# Altium PCB 智能马桶综合检测台_数据板V1.0.PcbDoc (part 7 of 8) (continued)
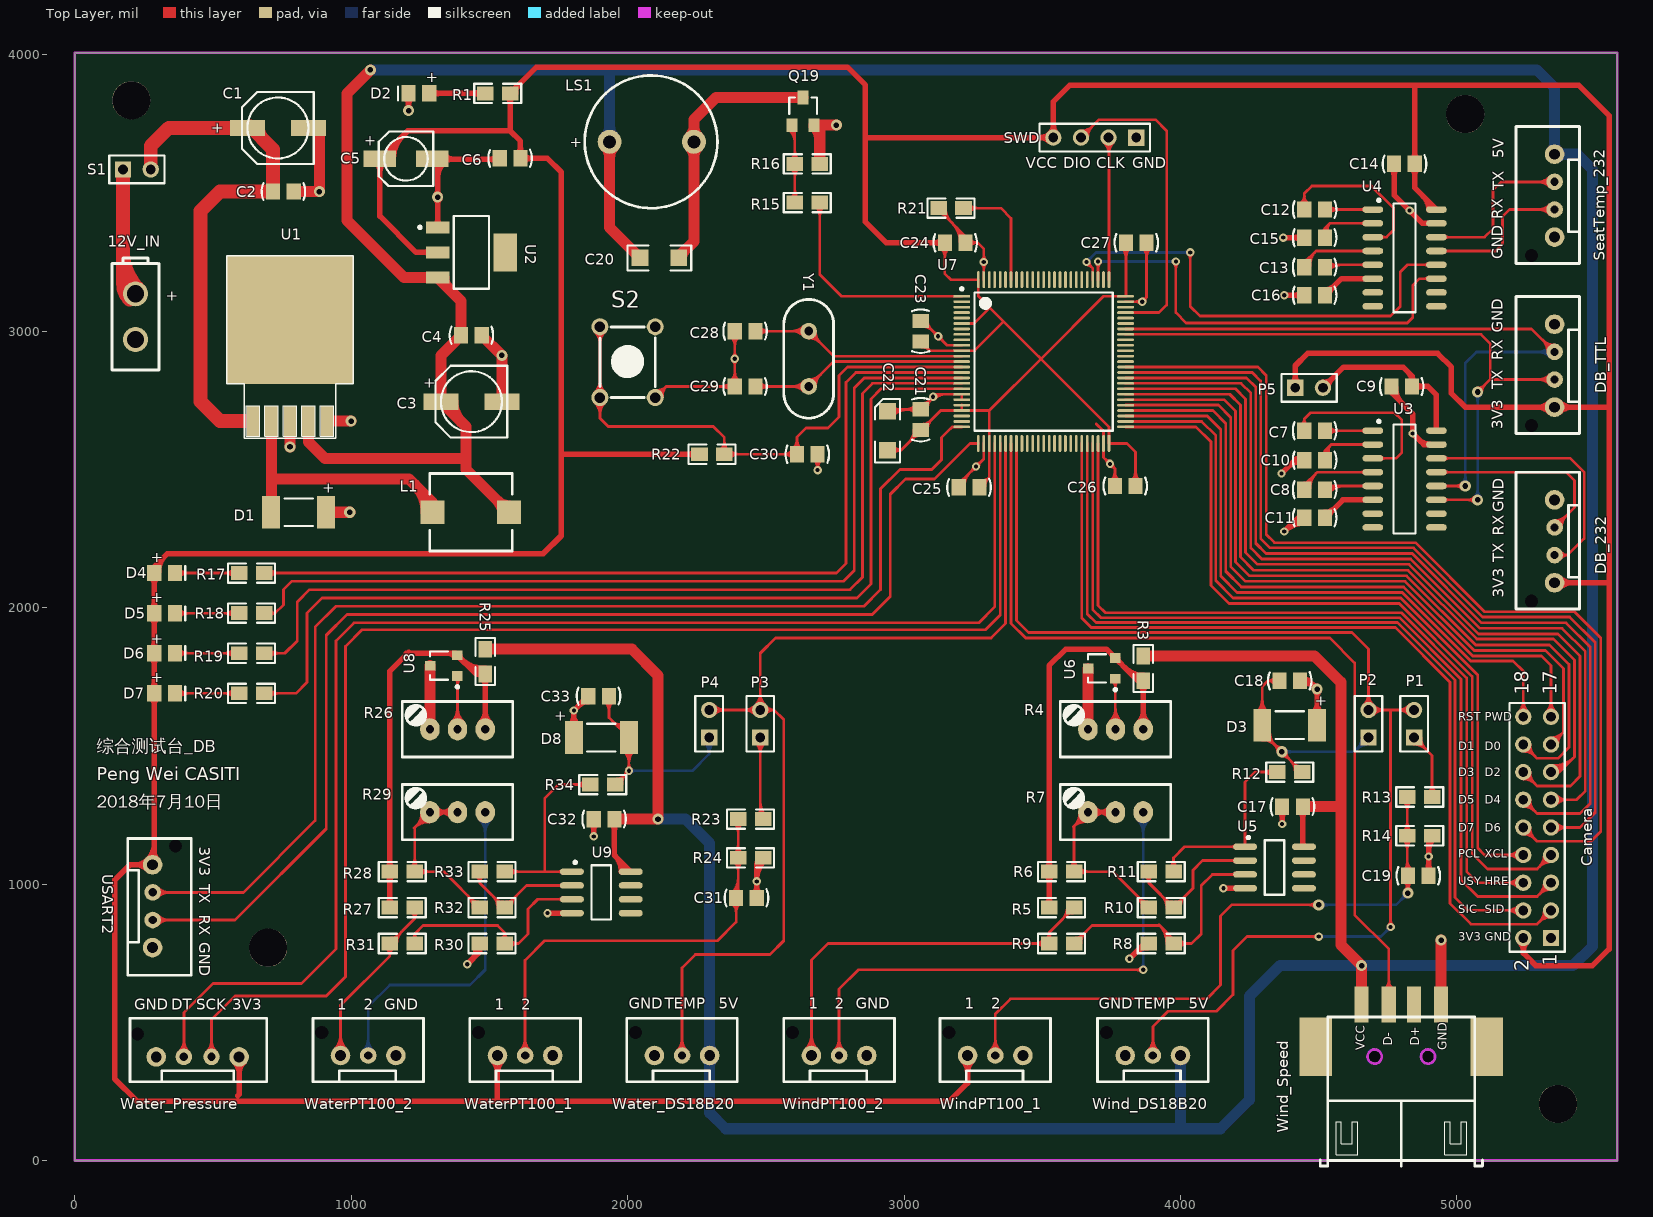
[diagram p0: Top Layer view]
## Nets (pads, with @x,y where several pads share a name; then routed paths per layer and width w, separated by ;. In a path a pad name is that pad's centre, name@x,y a point inside that pad or via, vN(x,y) a via of type N, cw(c..) or ccw(c..) an arc to the next point about the centre after c; other vN are vias at no path point) (continued)
cw(c5287.14,757.86) Camera.2@5253.81,791.19 ; 5240,757.86 cw(c5287.14,757.86) Camera.2@5253.81,791.19 ; 5240,757.86 cw(c5287.14,757.86) Camera.2@5253.81,791.19 ; 5240,757.86 cw(c5287.14,757.86) Camera.2@5253.81,791.19 ; 5240,757.86 cw(c5287.14,757.86) Camera.2@5253.81,791.19 ; 5291.6,2725 cw(c5291.6,2663.6) DB_TTL.1@5335.02,2707.02 ; 5291.6,2725 ccw(c5291.6,2786.4) DB_TTL.1@5335.02,2742.98 ; 5291.6,2725 ccw(c5291.6,2786.4) DB_TTL.1@5335.02,2742.98 ; 5291.6,2725 cw(c5291.6,2663.6) DB_TTL.1@5335.02,2707.02 ; 5291.6,2725 ccw(c5291.6,2786.4) DB_TTL.1@5335.02,2742.98 ; 5291.6,2725 cw(c5291.6,2663.6) DB_TTL.1@5335.02,2707.02 ; 5291.6,2725 ccw(c5291.6,2786.4) DB_TTL.1@5335.02,2742.98 ; 5291.6,2725 cw(c5291.6,2663.6) DB_TTL.1@5335.02,2707.02 ; 5291.6,2725 ccw(c5291.6,2786.4) DB_TTL.1@5335.02,2742.98 ; 5291.6,2725 cw(c5291.6,2663.6) DB_TTL.1@5335.02,2707.02 ; 5291.6,2725 ccw(c5291.6,2786.4) DB_TTL.1@5335.02,2742.98 ; 5291.6,2725 cw(c5291.6,2663.6) DB_TTL.1@5335.02,2707.02 ; DB_232.1@5370.98,2072.02 cw(c5414.4,2028.6) 5414.4,2090 ; DB_232.1@5370.98,2072.02 cw(c5414.4,2028.6) 5414.4,2090 ; DB_232.1@5370.98,2072.02 cw(c5414.4,2028.6) 5414.4,2090 ; DB_232.1@5370.98,2072.02 cw(c5414.4,2028.6) 5414.4,2090 ; DB_232.1@5370.98,2072.02 cw(c5414.4,2028.6) 5414.4,2090 ; DB_232.1@5370.98,2072.02 cw(c5414.4,2028.6) 5414.4,2090 ; DB_232.1@5370.98,2107.98 ccw(c5414.4,2151.4) 5414.4,2090 ; DB_232.1@5370.98,2107.98 ccw(c5414.4,2151.4) 5414.4,2090 ; DB_232.1@5370.98,2107.98 ccw(c5414.4,2151.4) 5414.4,2090 ; DB_232.1@5370.98,2107.98 ccw(c5414.4,2151.4) 5414.4,2090 ; DB_232.1@5370.98,2107.98 ccw(c5414.4,2151.4) 5414.4,2090 ; DB_232.1@5370.98,2107.98 ccw(c5414.4,2151.4) 5414.4,2090 ; DB_TTL.1@5370.98,2707.02 cw(c5414.4,2663.6) 5414.4,2725 ; DB_TTL.1@5370.98,2707.02 cw(c5414.4,2663.6) 5414.4,2725 ; DB_TTL.1@5370.98,2707.02 cw(c5414.4,2663.6) 5414.4,2725 ; DB_TTL.1@5370.98,2707.02 cw(c5414.4,2663.6) 5414.4,2725 ; DB_TTL.1@5370.98,2707.02 cw(c5414.4,2663.6) 5414.4,2725 ; DB_TTL.1@5370.98,2707.02 cw(c5414.4,2663.6) 5414.4,2725 ; DB_TTL.1@5370.98,2742.98 ccw(c5414.4,2786.4) 5414.4,2725 ; DB_TTL.1@5370.98,2742.98 ccw(c5414.4,2786.4) 5414.4,2725 ; DB_TTL.1@5370.98,2742.98 ccw(c5414.4,2786.4) 5414.4,2725 ; DB_TTL.1@5370.98,2742.98 ccw(c5414.4,2786.4) 5414.4,2725 ; DB_TTL.1@5370.98,2742.98 ccw(c5414.4,2786.4) 5414.4,2725 ; DB_TTL.1@5370.98,2742.98 ccw(c5414.4,2786.4) 5414.4,2725 ; D4.1@303.19,2129.41 cw(c384.74,2129.41) 327.07,2187.07 ccw(c384.74,2129.41) D4.1@303.19,2129.41
VCC5V: C3.1 C4.2 C17.1 C20.2 C32.1 L1.2 LS1.1 R3.2 R25.2 SeatTemp_232.4 U1.4 U2.3 U5.8 U9.8 Water_DS18B20.3 Wind_DS18B20.3 Wind_Speed.1 | length 25331
  Top Layer w20: C32.1@1952.4,1235 1952.4,1103.9 U9.8@2011.3,1045 ; C17.1@4442.4,1280 4442.4,1138.9 U5.8@4446.3,1135 ; C32.1@1941.38,1220.04 cw(c1914.76,1193.42) 1952.4,1193.42 ; C32.1@1941.38,1220.04 cw(c1914.76,1193.42) 1952.4,1193.42 ; C32.1@1941.38,1220.04 cw(c1914.76,1193.42) 1952.4,1193.42 ; C32.1@1941.38,1220.04 cw(c1914.76,1193.42) 1952.4,1193.42 ; C32.1@1941.38,1220.04 cw(c1914.76,1193.42) 1952.4,1193.42 ; C32.1@1941.38,1220.04 cw(c1914.76,1193.42) 1952.4,1193.42 ; 1952.4,1193.42 cw(c1990.04,1193.42) C32.1@1963.43,1220.04 ; 1952.4,1193.42 cw(c1990.04,1193.42) C32.1@1963.43,1220.04 ; 1952.4,1193.42 cw(c1990.04,1193.42) C32.1@1963.43,1220.04 ; 1952.4,1193.42 cw(c1990.04,1193.42) C32.1@1963.43,1220.04 ; 1952.4,1193.42 cw(c1990.04,1193.42) C32.1@1963.43,1220.04 ; 1952.4,1193.42 cw(c1990.04,1193.42) C32.1@1963.43,1220.04 ; 1954.44,1101.86 cw(c1897.58,1045) U9.8@1977.99,1045 ; 1954.44,1101.86 cw(c1897.58,1045) U9.8@1977.99,1045 ; 1954.44,1101.86 cw(c1897.58,1045) U9.8@1977.99,1045 ; 1954.44,1101.86 cw(c1897.58,1045) U9.8@1977.99,1045 ; 1954.44,1101.86 cw(c1897.58,1045) U9.8@1977.99,1045 ; 1954.44,1101.86 cw(c1897.58,1045) U9.8@1977.99,1045 ; 1988.58,1067.72 cw(c1965.87,1045) U9.8@1997.99,1045 ; 1988.58,1067.72 cw(c1965.87,1045) U9.8@1997.99,1045 ; 1988.58,1067.72 cw(c1965.87,1045) U9.8@1997.99,1045 ; 1988.58,1067.72 cw(c1965.87,1045) U9.8@1997.99,1045 ; 1988.58,1067.72 cw(c1965.87,1045) U9.8@1997.99,1045 ; 1988.58,1067.72 cw(c1965.87,1045) U9.8@1997.99,1045 ; C17.1@4431.38,1265.04 cw(c4404.76,1238.42) 4442.4,1238.42 ; C17.1@4431.38,1265.04 cw(c4404.76,1238.42) 4442.4,1238.42 ; C17.1@4431.38,1265.04 cw(c4404.76,1238.42) 4442.4,1238.42 ; C17.1@4431.38,1265.04 cw(c4404.76,1238.42) 4442.4,1238.42 ; C17.1@4431.38,1265.04 cw(c4404.76,1238.42) 4442.4,1238.42 ; C17.1@4431.38,1265.04 cw(c4404.76,1238.42) 4442.4,1238.42 ; 4442.4,1148.78 ccw(c4460.08,1148.78) U5.8@4447.58,1136.28 ; 4442.4,1148.78 ccw(c4460.08,1148.78) U5.8@4447.58,1136.28 ; 4442.4,1148.78 ccw(c4460.08,1148.78) U5.8@4447.58,1136.28 ; 4442.4,1148.78 ccw(c4460.08,1148.78) U5.8@4447.58,1136.28 ; 4442.4,1148.78 ccw(c4460.08,1148.78) U5.8@4447.58,1136.28 ; 4442.4,1148.78 ccw(c4460.08,1148.78) U5.8@4447.58,1136.28 ; 4442.4,1238.42 cw(c4480.04,1238.42) C17.1@4453.43,1265.04 ; 4442.4,1238.42 cw(c4480.04,1238.42) C17.1@4453.43,1265.04 ; 4442.4,1238.42 cw(c4480.04,1238.42) C17.1@4453.43,1265.04 ; 4442.4,1238.42 cw(c4480.04,1238.42) C17.1@4453.43,1265.04 ; 4442.4,1238.42 cw(c4480.04,1238.42) C17.1@4453.43,1265.04 ; 4442.4,1238.42 cw(c4480.04,1238.42) C17.1@4453.43,1265.04
  Top Layer w40: U1.4@845.79,2675 845.79,2599.21 905,2540 1415,2540 ; v2(1070,3945) 985,3860 985,3400 1190.55,3194.45 U2.3@1312.95,3194.45 1397.6,3109.8 C4.2@1397.6,2985 1325,2912.4 C3.1@1325,2745 1415,2655 1415,2500.59 L1.2@1570.59,2345 ; R25.2@1490,1850 2015,1850 2110,1755 v2(2110,1235) C32.1@1952.4,1235 ; LS1.1@1935,3685 1935,3375 C20.2@2045,3265 ; R3.2@3865,1825 4485,1825 4580,1730 4580,780 v2(4655,705) Wind_Speed.1@4655,565 ; C17.1@4442.4,1280 4580,1280 ; C3.1@1327.99,2745.05 ccw(c1335.3,2745.04) C3.1@1330.13,2739.87 ; C3.1@1327.99,2745.05 ccw(c1335.3,2745.04) C3.1@1330.13,2739.87 ; C3.1@1327.99,2745.05 ccw(c1335.3,2745.04) C3.1@1330.13,2739.87 ; C3.1@1327.99,2745.05 ccw(c1335.3,2745.04) C3.1@1330.13,2739.87 ; C3.1@1327.99,2745.05 ccw(c1335.3,2745.04) C3.1@1330.13,2739.87 ; C3.1@1327.99,2745.05 ccw(c1335.3,2745.04) C3.1@1330.13,2739.87 ; U2.3@1335.28,3194.45 ccw(c1389.17,3194.45) 1351.06,3156.34 ; U2.3@1335.28,3194.45 ccw(c1389.17,3194.45) 1351.06,3156.34 ; U2.3@1335.28,3194.45 ccw(c1389.17,3194.45) 1351.06,3156.34 ; U2.3@1335.28,3194.45 ccw(c1389.17,3194.45) 1351.06,3156.34 ; U2.3@1335.28,3194.45 ccw(c1389.17,3194.45) 1351.06,3156.34 ; U2.3@1335.28,3194.45 ccw(c1389.17,3194.45) 1351.06,3156.34 ; C3.1@1367.99,2744.98 ccw(c1471.35,2744.82) 1398.27,2671.73 ; C3.1@1367.99,2744.98 ccw(c1471.35,2744.82) 1398.27,2671.73 ; C3.1@1367.99,2744.98 ccw(c1471.35,2744.82) 1398.27,2671.73 ; C3.1@1367.99,2744.98 ccw(c1471.35,2744.82) 1398.27,2671.73 ; C3.1@1367.99,2744.98 ccw(c1471.35,2744.82) 1398.27,2671.73 ; C3.1@1367.99,2744.98 ccw(c1471.35,2744.82) 1398.27,2671.73 ; L1.2@1530.8,2384.79 cw(c1491.02,2345) L1.2@1547.28,2345 ; L1.2@1530.8,2384.79 ccw(c1570.59,2424.58) L1.2@1570.59,2368.31 ; L1.2@1530.8,2384.79 ccw(c1570.59,2424.58) L1.2@1570.59,2368.31 ; L1.2@1530.8,2384.79 cw(c1491.02,2345) L1.2@1547.28,2345 ; L1.2@1530.8,2384.79 ccw(c1570.59,2424.58) L1.2@1570.59,2368.31 ; L1.2@1530.8,2384.79 cw(c1491.02,2345) L1.2@1547.28,2345 ; L1.2@1530.8,2384.79 ccw(c1570.59,2424.58) L1.2@1570.59,2368.31 ; L1.2@1530.8,2384.79 cw(c1491.02,2345) L1.2@1547.28,2345 ; L1.2@1530.8,2384.79 ccw(c1570.59,2424.58) L1.2@1570.59,2368.31 ; L1.2@1530.8,2384.79 cw(c1491.02,2345) L1.2@1547.28,2345 ; L1.2@1530.8,2384.79 ccw(c1570.59,2424.58) L1.2@1570.59,2368.31 ; L1.2@1530.8,2384.79 cw(c1491.02,2345) L1.2@1547.28,2345 ; LS1.1@1918.52,3668.52 cw(c1878.73,3628.73) 1935,3628.73 ; LS1.1@1918.52,3668.52 cw(c1878.73,3628.73) 1935,3628.73 ; LS1.1@1918.52,3668.52 cw(c1878.73,3628.73) 1935,3628.73 ; LS1.1@1918.52,3668.52 cw(c1878.73,3628.73) 1935,3628.73 ; LS1.1@1918.52,3668.52 cw(c1878.73,3628.73) 1935,3628.73 ; LS1.1@1918.52,3668.52 cw(c1878.73,3628.73) 1935,3628.73 ; 1935,3628.73 cw(c1991.27,3628.73) LS1.1@1951.48,3668.52 ; 1935,3628.73 cw(c1991.27,3628.73) LS1.1@1951.48,3668.52 ; 1935,3628.73 cw(c1991.27,3628.73) LS1.1@1951.48,3668.52 ; 1935,3628.73 cw(c1991.27,3628.73) LS1.1@1951.48,3668.52 ; 1935,3628.73 cw(c1991.27,3628.73) LS1.1@1951.48,3668.52 ; 1935,3628.73 cw(c1991.27,3628.73) LS1.1@1951.48,3668.52
  Bottom Layer w40: v2(1070,3945) 5290,3945 5353,3882 SeatTemp_232.4@5353,3640 5435,3640 5490,3585 5490,775 5420,705 4360,705 4250,595 4250,220 4145,115 2355,115 2297,173 2297,1148 2210,1235 v2(2110,1235) ; LS1.1@1935,3685 1935,3945 ; 4000,115 Wind_DS18B20.3@4000,380 ; LS1.1@1918.52,3701.48 ccw(c1878.73,3741.27) 1935,3741.27 ; LS1.1@1918.52,3701.48 ccw(c1878.73,3741.27) 1935,3741.27 ; LS1.1@1918.52,3701.48 ccw(c1878.73,3741.27) 1935,3741.27 ; LS1.1@1918.52,3701.48 ccw(c1878.73,3741.27) 1935,3741.27 ; LS1.1@1918.52,3701.48 ccw(c1878.73,3741.27) 1935,3741.27 ; LS1.1@1918.52,3701.48 ccw(c1878.73,3741.27) 1935,3741.27 ; 1935,3741.27 ccw(c1991.27,3741.27) LS1.1@1951.48,3701.48 ; 1935,3741.27 ccw(c1991.27,3741.27) LS1.1@1951.48,3701.48 ; 1935,3741.27 ccw(c1991.27,3741.27) LS1.1@1951.48,3701.48 ; 1935,3741.27 ccw(c1991.27,3741.27) LS1.1@1951.48,3701.48 ; 1935,3741.27 ccw(c1991.27,3741.27) LS1.1@1951.48,3701.48 ; 1935,3741.27 ccw(c1991.27,3741.27) LS1.1@1951.48,3701.48 ; Water_DS18B20.3@2286.09,369.09 cw(c2259.74,342.74) 2297,342.74 ; Water_DS18B20.3@2286.09,369.09 cw(c2259.74,342.74) 2297,342.74 ; Water_DS18B20.3@2286.09,369.09 cw(c2259.74,342.74) 2297,342.74 ; Water_DS18B20.3@2286.09,369.09 cw(c2259.74,342.74) 2297,342.74 ; Water_DS18B20.3@2286.09,369.09 cw(c2259.74,342.74) 2297,342.74 ; Water_DS18B20.3@2286.09,369.09 cw(c2259.74,342.74) 2297,342.74 ; Water_DS18B20.3@2286.09,390.91 ccw(c2259.74,417.26) 2297,417.26 ; Water_DS18B20.3@2286.09,390.91 ccw(c2259.74,417.26) 2297,417.26 ; Water_DS18B20.3@2286.09,390.91 ccw(c2259.74,417.26) 2297,417.26 ; Water_DS18B20.3@2286.09,390.91 ccw(c2259.74,417.26) 2297,417.26 ; Water_DS18B20.3@2286.09,390.91 ccw(c2259.74,417.26) 2297,417.26 ; Water_DS18B20.3@2286.09,390.91 ccw(c2259.74,417.26) 2297,417.26 ; 2297,342.74 cw(c2334.26,342.74) Water_DS18B20.3@2307.91,369.09 ; 2297,342.74 cw(c2334.26,342.74) Water_DS18B20.3@2307.91,369.09 ; 2297,342.74 cw(c2334.26,342.74) Water_DS18B20.3@2307.91,369.09 ; 2297,342.74 cw(c2334.26,342.74) Water_DS18B20.3@2307.91,369.09 ; 2297,342.74 cw(c2334.26,342.74) Water_DS18B20.3@2307.91,369.09 ; 2297,342.74 cw(c2334.26,342.74) Water_DS18B20.3@2307.91,369.09 ; 2297,417.26 ccw(c2334.26,417.26) Water_DS18B20.3@2307.91,390.91 ; 2297,417.26 ccw(c2334.26,417.26) Water_DS18B20.3@2307.91,390.91 ; 2297,417.26 ccw(c2334.26,417.26) Water_DS18B20.3@2307.91,390.91 ; 2297,417.26 ccw(c2334.26,417.26) Water_DS18B20.3@2307.91,390.91 ; 2297,417.26 ccw(c2334.26,417.26) Water_DS18B20.3@2307.91,390.91 ; 2297,417.26 ccw(c2334.26,417.26) Water_DS18B20.3@2307.91,390.91 ; Wind_DS18B20.3@3989.09,369.09 cw(c3962.74,342.74) 4000,342.74 ; Wind_DS18B20.3@3989.09,369.09 cw(c3962.74,342.74) 4000,342.74 ; Wind_DS18B20.3@3989.09,369.09 cw(c3962.74,342.74) 4000,342.74 ; Wind_DS18B20.3@3989.09,369.09 cw(c3962.74,342.74) 4000,342.74 ; Wind_DS18B20.3@3989.09,369.09 cw(c3962.74,342.74) 4000,342.74 ; Wind_DS18B20.3@3989.09,369.09 cw(c3962.74,342.74) 4000,342.74 ; 4000,342.74 cw(c4037.26,342.74) Wind_DS18B20.3@4010.91,369.09 ; 4000,342.74 cw(c4037.26,342.74) Wind_DS18B20.3@4010.91,369.09 ; 4000,342.74 cw(c4037.26,342.74) Wind_DS18B20.3@4010.91,369.09 ; 4000,342.74 cw(c4037.26,342.74) Wind_DS18B20.3@4010.91,369.09 ; 4000,342.74 cw(c4037.26,342.74) Wind_DS18B20.3@4010.91,369.09 ; 4000,342.74 cw(c4037.26,342.74) Wind_DS18B20.3@4010.91,369.09 ; SeatTemp_232.4@5342.09,3650.91 ccw(c5315.74,3677.26) 5353,3677.26 ; SeatTemp_232.4@5342.09,3650.91 ccw(c5315.74,3677.26) 5353,3677.26 ; SeatTemp_232.4@5342.09,3650.91 ccw(c5315.74,3677.26) 5353,3677.26 ; SeatTemp_232.4@5342.09,3650.91 ccw(c5315.74,3677.26) 5353,3677.26 ; SeatTemp_232.4@5342.09,3650.91 ccw(c5315.74,3677.26) 5353,3677.26 ; SeatTemp_232.4@5342.09,3650.91 ccw(c5315.74,3677.26) 5353,3677.26 ; 5353,3677.26 ccw(c5390.26,3677.26) SeatTemp_232.4@5363.91,3650.91 ; 5353,3677.26 ccw(c5390.26,3677.26) SeatTemp_232.4@5363.91,3650.91 ; 5353,3677.26 ccw(c5390.26,3677.26) SeatTemp_232.4@5363.91,3650.91 ; 5353,3677.26 ccw(c5390.26,3677.26) SeatTemp_232.4@5363.91,3650.91 ; 5353,3677.26 ccw(c5390.26,3677.26) SeatTemp_232.4@5363.91,3650.91 ; 5353,3677.26 ccw(c5390.26,3677.26) SeatTemp_232.4@5363.91,3650.91 ; SeatTemp_232.4@5363.91,3629.09 cw(c5390.26,3602.74) 5390.26,3640 ; SeatTemp_232.4@5363.91,3629.09 cw(c5390.26,3602.74) 5390.26,3640 ; SeatTemp_232.4@5363.91,3629.09 cw(c5390.26,3602.74) 5390.26,3640 ; SeatTemp_232.4@5363.91,3629.09 cw(c5390.26,3602.74) 5390.26,3640 ; SeatTemp_232.4@5363.91,3629.09 cw(c5390.26,3602.74) 5390.26,3640 ; SeatTemp_232.4@5363.91,3629.09 cw(c5390.26,3602.74) 5390.26,3640 ; SeatTemp_232.4@5363.91,3650.91 ccw(c5390.26,3677.26) 5390.26,3640 ; SeatTemp_232.4@5363.91,3650.91 ccw(c5390.26,3677.26) 5390.26,3640 ; SeatTemp_232.4@5363.91,3650.91 ccw(c5390.26,3677.26) 5390.26,3640 ; SeatTemp_232.4@5363.91,3650.91 ccw(c5390.26,3677.26) 5390.26,3640 ; SeatTemp_232.4@5363.91,3650.91 ccw(c5390.26,3677.26) 5390.26,3640 ; SeatTemp_232.4@5363.91,3650.91 ccw(c5390.26,3677.26) 5390.26,3640
VCC12V: C1.1 C2.2 S1.2 U1.1 | length 2193.3
  Top Layer w50: S1.2@275,3585 275,3670 340,3735 C1.1@625,3735 ; C1.1@635,3740 717.6,3657.4 C2.2@717.6,3505 525,3505 455,3435 455,2745 525,2675 U1.1@645,2675 ; C1.1@662.99,3735 ccw(c718.5,3735) 679.25,3695.75 ; C1.1@662.99,3735 ccw(c718.5,3735) 679.25,3695.75 ; C1.1@662.99,3735 ccw(c718.5,3735) 679.25,3695.75 ; C1.1@662.99,3735 ccw(c718.5,3735) 679.25,3695.75 ; C1.1@662.99,3735 ccw(c718.5,3735) 679.25,3695.75 ; C1.1@662.99,3735 ccw(c718.5,3735) 679.25,3695.75
VCC12V_IN: 12V_IN.1 S1.1 | length 1802.9
  Top Layer w50: S1.1@175,3585 175,3180 12V_IN.1@220,3135 ; 175,3171.21 ccw(c256.21,3171.21) 12V_IN.1@198.79,3113.79 ; 175,3171.21 ccw(c256.21,3171.21) 12V_IN.1@198.79,3113.79 ; 175,3171.21 ccw(c256.21,3171.21) 12V_IN.1@198.79,3113.79 ; 175,3171.21 ccw(c256.21,3171.21) 12V_IN.1@198.79,3113.79 ; 175,3171.21 ccw(c256.21,3171.21) 12V_IN.1@198.79,3113.79 ; 175,3171.21 ccw(c256.21,3171.21) 12V_IN.1@198.79,3113.79 ; 175,3291.92 ccw(c376.92,3291.92) 12V_IN.1@234.14,3149.14 ; 175,3291.92 ccw(c376.92,3291.92) 12V_IN.1@234.14,3149.14 ; 175,3291.92 ccw(c376.92,3291.92) 12V_IN.1@234.14,3149.14 ; 175,3291.92 ccw(c376.92,3291.92) 12V_IN.1@234.14,3149.14 ; 175,3291.92 ccw(c376.92,3291.92) 12V_IN.1@234.14,3149.14 ; 175,3291.92 ccw(c376.92,3291.92) 12V_IN.1@234.14,3149.14